# Altium PCB RemoteControl.PcbDoc
Units mm, origin at the board's own origin, x right, y up, seen from the top; angles counter-clockwise.
Board outline 150 x 150 mm, 2 copper layers (Top Layer, Bottom Layer); 109 components, 118 nets, 551 pads, 100 vias.
Unrouted connection lines stored in the file: 176.
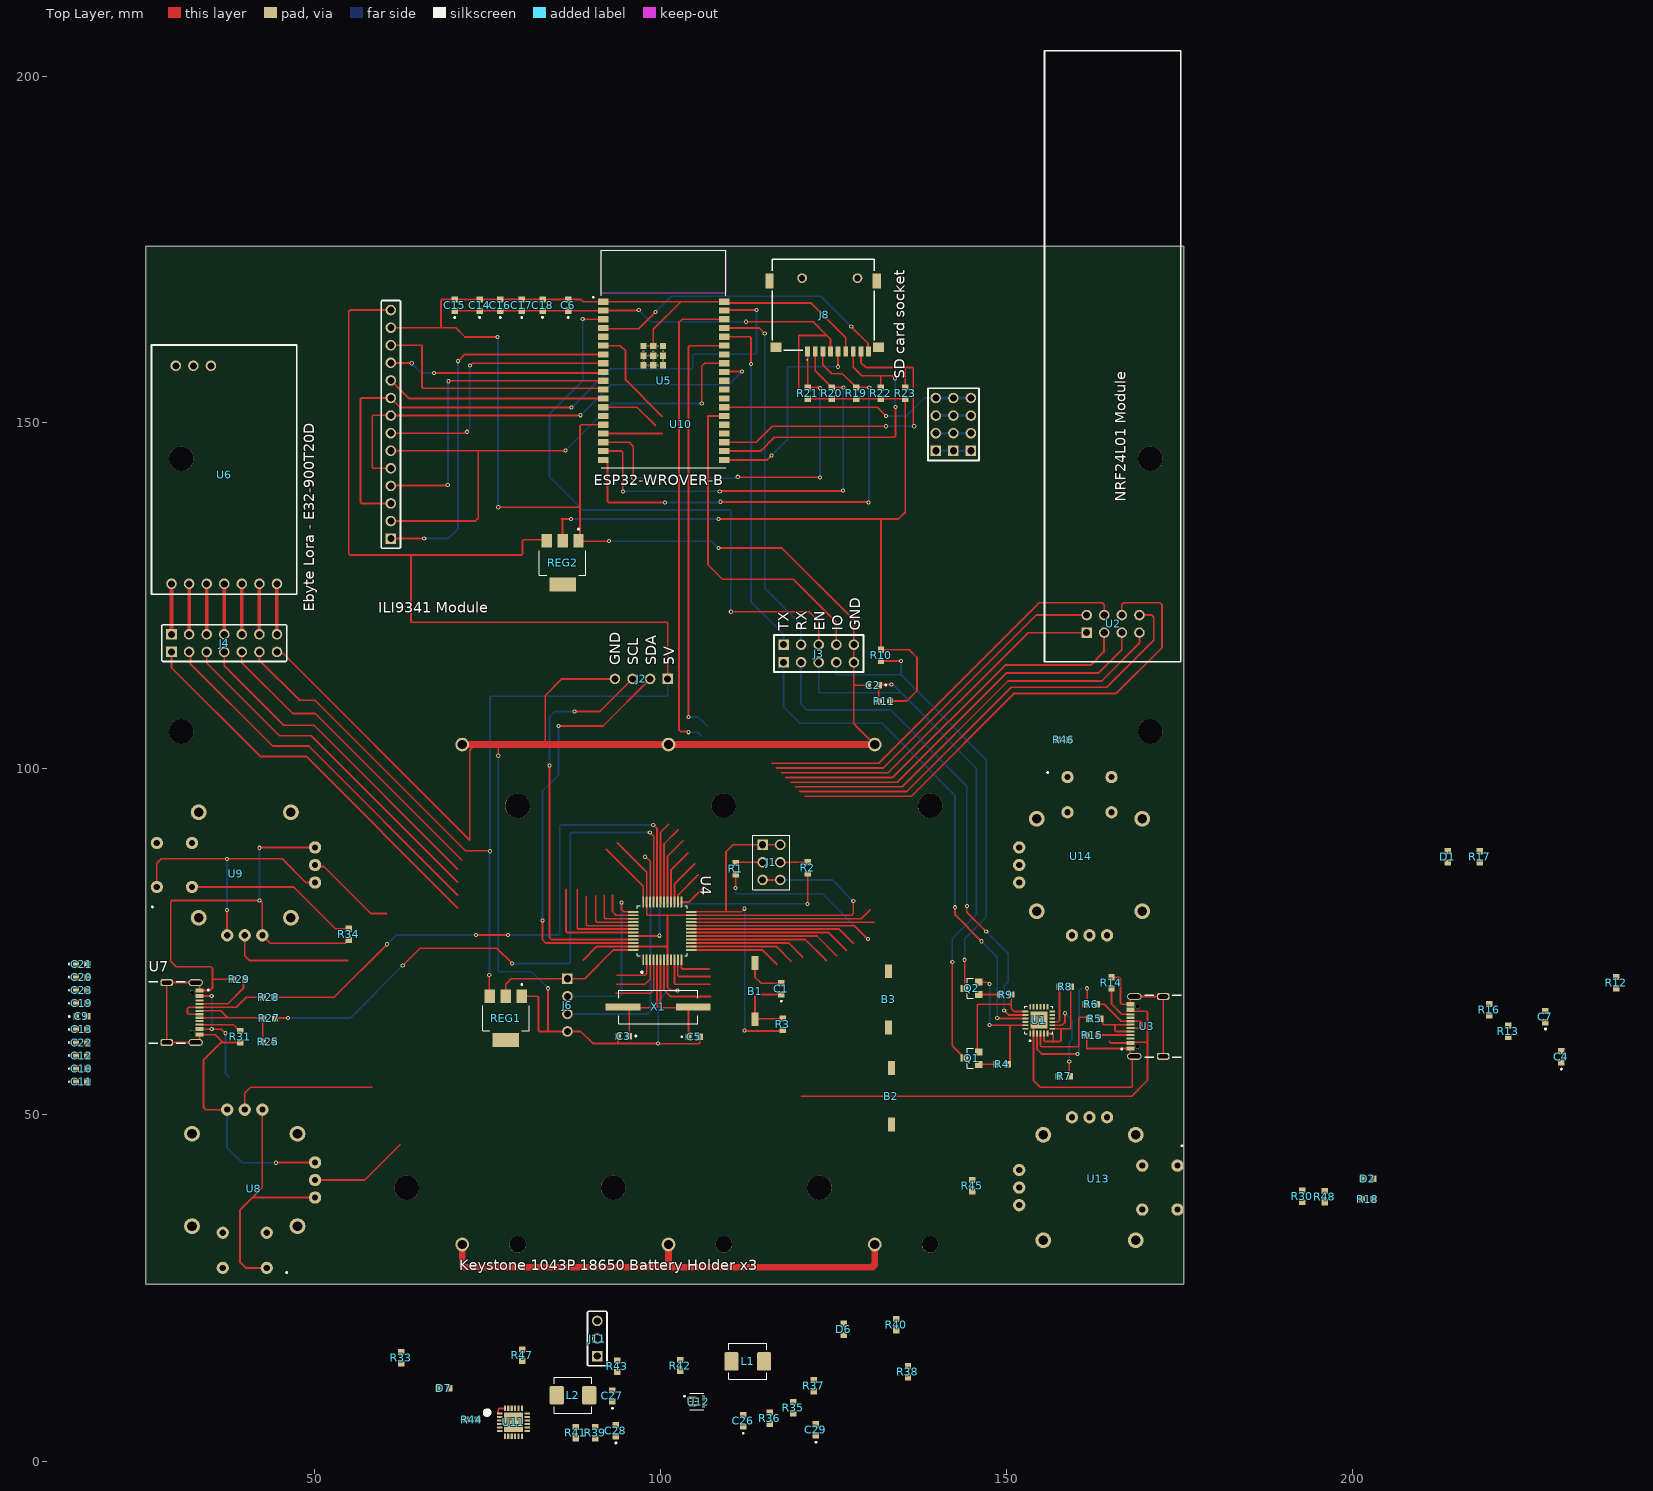
[diagram p0: Top Layer view]
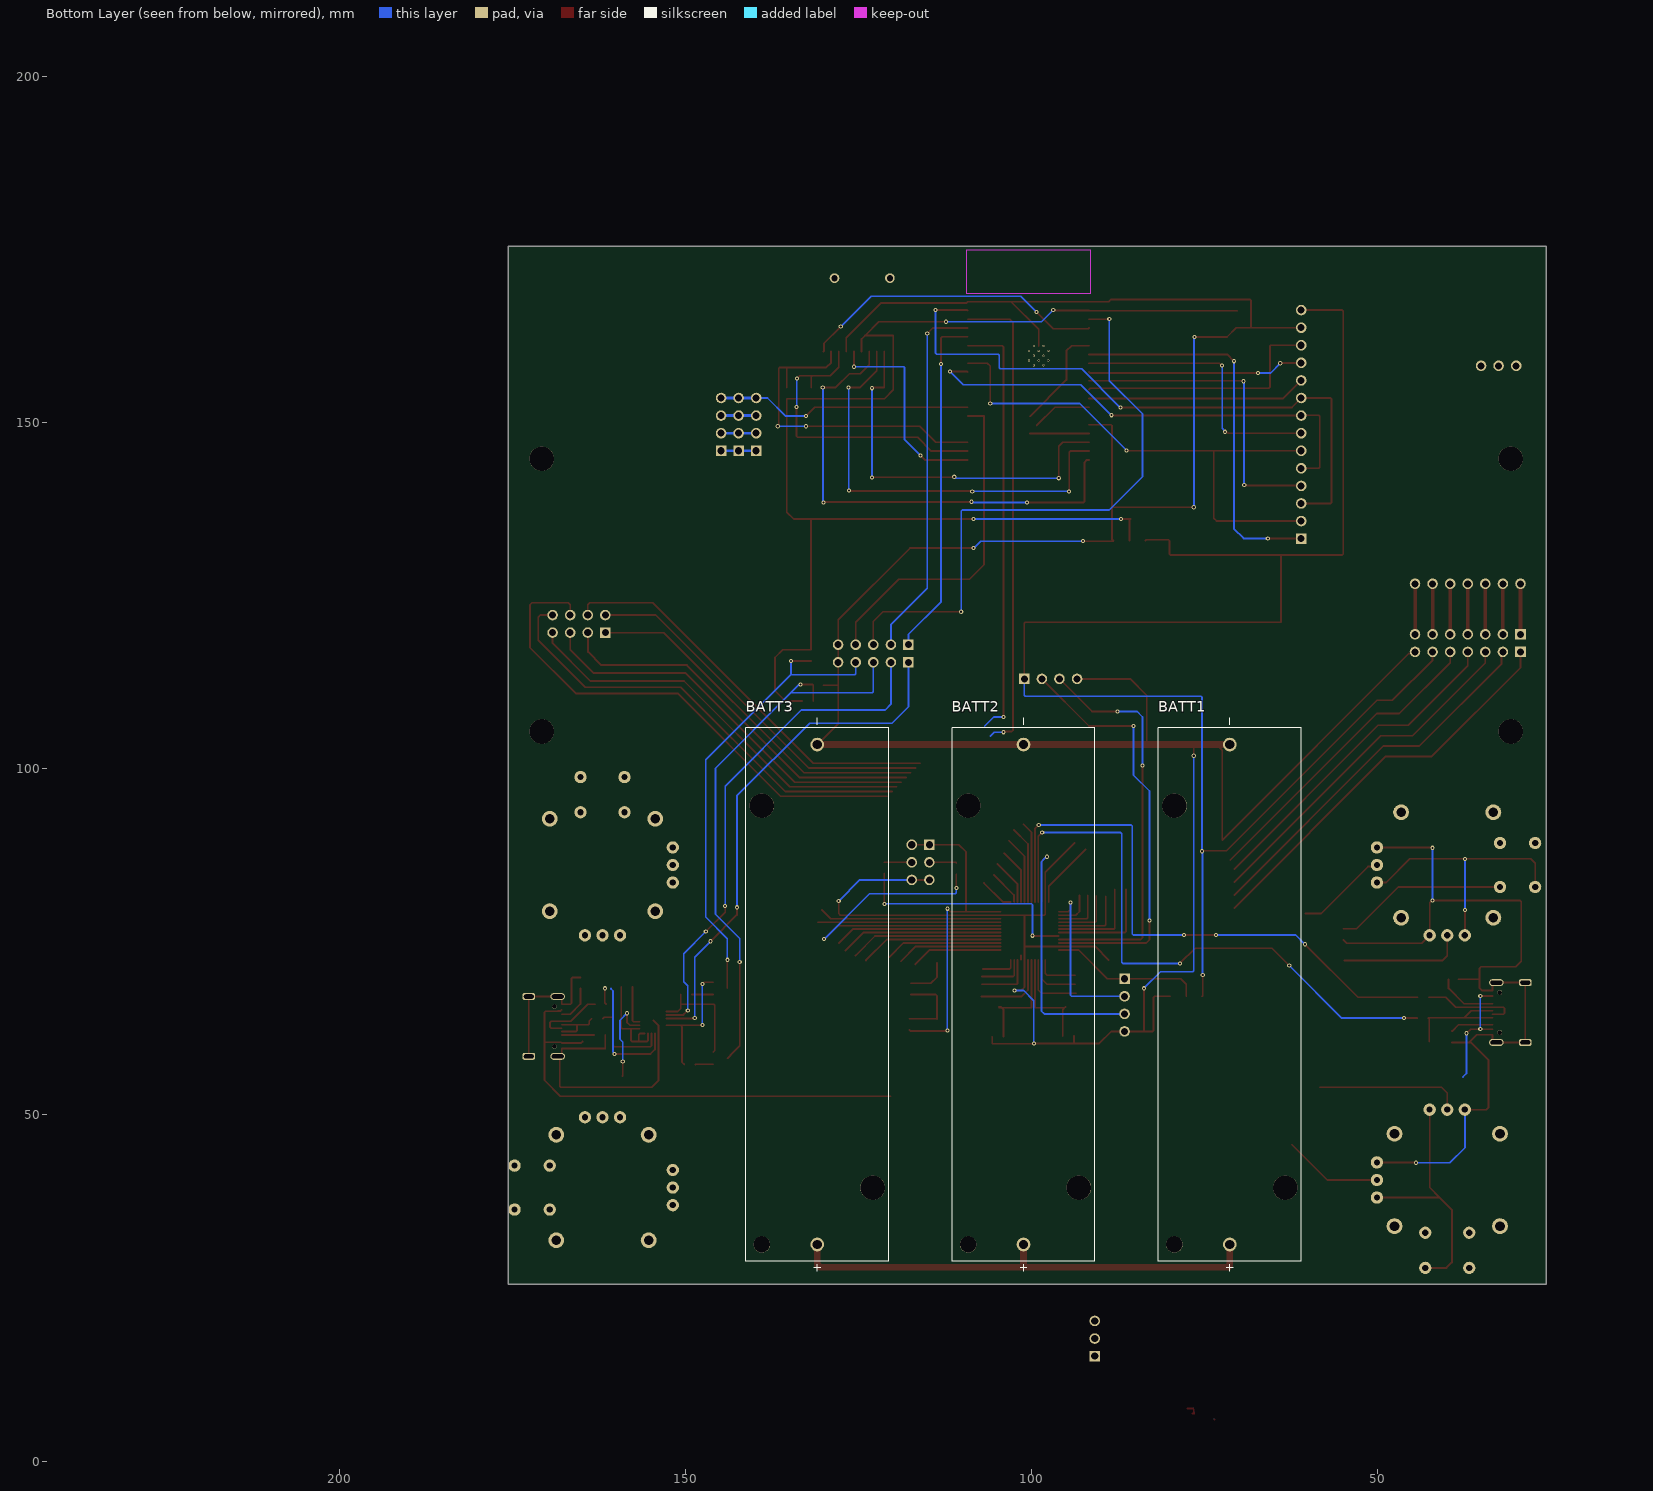
[diagram p1: Bottom Layer view, seen from below]

## Layer stack, top to bottom
Top Solder: solder mask 0.0102, Solder Resist, Dk 3.5
Top Layer: signal copper 0.0356
Dielectric 1: dielectric 0.32, FR-4, Dk 4.8
Bottom Layer: signal copper 0.0356
Bottom Solder: solder mask 0.0102, Solder Resist, Dk 3.5

## Board outline
25.654,25.514 25.654,175.514 175.654,175.514 175.654,25.514

## Design rules (kind name [scope] priority, off if disabled: settings)
Clearance [All] p1: gap=0.15 ignorepadtopadclearanceinfootprint=FALSE
ComponentClearance [All] p1: gap=0.1 collisioncheckmode=3 verticalgap=0 showdistances=FALSE
DiffPairsRouting [All] p1: maxlimit=0.254 minlimit=0.254 mostfreqgap=0.254 toplayer_minwidth=0.254 toplayer_maxwidth=0.381 toplayer_prefwidth=0.381 bottomlayer_minwidth=0.254 bottomlayer_maxwidth=0.381 bottomlayer_prefwidth=0.381 maxuncoupledlength=12.7
Height [All] p1: minheight=0 maxheight=350 prefheight=12.7
HoleSize [All] p1: absolutevalues=TRUE maxlimit=10 minlimit=0.025 maxpercent=80.000 minpercent=20.000
HoleToHoleClearance [All] p1: gap=0.2 allowstackedmicrovias=TRUE
MinimumSolderMaskSliver [All] p1: minsoldermaskwidth=0.01
PolygonConnect [All] p1: connectstyle=Relief reliefconductorwidth=0.254 reliefentries=4 polygonreliefangle="90 Angle" airgapwidth=0.254
RoutingVias [All] p1: holewidth=0.3 width=0.5 viastyle="Through Hole" minholewidth=0.3 minwidth=0.6 maxholewidth=0.3 maxwidth=0.6
SilkToSilkClearance [All] p1: silktosilkclearance=0.01
SilkToSolderMaskClearance [IsPad] p1: minsilkscreentomaskgap=0.01 clearancetoexposedcopper=TRUE
SolderMaskExpansion [All] p1: expansion=0.102 istentingtop=FALSE
SupplyNets "Schematic Supply Nets" [InNet('GND')] p1: voltage=0.000
Width [All] p1: maxlimit=1 minlimit=0.2 preferedwidth=0.254 minimp=50.000000 maximp=50.000000 favimp=50.000000
22 further rules are at their usual default settings.

## Components (designator, comment, footprint, x,y, rotation, side; value= is the part's Value field where it differs from the comment)
B1 "TS3612-3X6" "SMD TACT SWITCH BUTTON" 113.7,67.9 r90 top
B2 "TS3612-3X6" "SMD TACT SWITCH BUTTON" 133.4,52.7 r270 top
B3 "TS3612-3X6" "SMD TACT SWITCH BUTTON" 133,66.7 r270 top
BATT1 "Keystone 1043P 18650 Battery Holder" 1043P 71.397,67.4 r270 bottom locked
BATT2 "Keystone 1043P 18650 Battery Holder" 1043P 101.197,67.4 r270 bottom locked
BATT3 "Keystone 1043P 18650 Battery Holder" 1043P 130.997,67.4 r270 bottom locked
C1 "100pF" "0603 SMD CAP" 117.5,68.214 r90 top
C2 "4.7uF" "0603 SMD CAP" 130.814,112.1 r180 top
C3 "20pF" "0603 SMD CAP" 94.7,61.4 r180 top
C4 "0.1uF" "0603 SMD CAP" 230.2,58.4 r90 top
C5 "20pF" "0603 SMD CAP" 104.9,61.3 r0 top
C6 "10uF" "0603 SMD CAP" 86.7,167 r90 top
C7 "0.1uF" "0603 SMD CAP" 227.9,64.2 r90 top
C9 "10uF" "0603 SMD CAP" 16.4,64.244 r0 top
C10 "10uF" "0603 SMD CAP" 16.4,56.689 r0 top
C11 "10uF" "0603 SMD CAP" 16.4,54.8 r0 top
C12 "10uF" "0603 SMD CAP" 16.4,58.578 r0 top
C13 "10uF" "0603 SMD CAP" 16.4,62.356 r0 top
C14 "10uF" "0603 SMD CAP" 73.9,167 r90 top
C15 "10uF" "0603 SMD CAP" 70.3,167 r90 top
C16 "10uF" "0603 SMD CAP" 76.9,167 r90 top
C17 "10uF" "0603 SMD CAP" 80,167 r90 top
C18 "10uF" "0603 SMD CAP" 83,167 r90 top
C19 "10uF" "0603 SMD CAP" 16.4,66.133 r0 top
C20 "10uF" "0603 SMD CAP" 16.4,69.911 r0 top
C21 "10uF" "0603 SMD CAP" 16.4,71.8 r0 top
C22 "10uF" "0603 SMD CAP" 16.4,60.467 r0 top
C23 "10uF" "0603 SMD CAP" 16.4,68.022 r0 top
C26 "47nF" "0603 SMD CAP" 112,5.8 r90 top
C27 "4.7uF" "0603 SMD CAP" 93.1,9.4 r90 top
C28 "22uF" "0603 SMD CAP" 93.6,4.4 r90 top
C29 "10uF" "0603 SMD CAP" 122.5,4.5 r90 top
D1 "Color" "0603 SMD LED" 213.8,87.286 r90 top
D2 "Green 0603" "0603 SMD LED" 202.239,40.792 r0 top
D6 "Color" "0603 SMD LED" 126.5,19.014 r90 top
D7 "Color" "0603 SMD LED" 68.7,10.5 r180 top
J1 "Header" CON2x3_2.54MM 114.8,86.5 r270 top
J2 "1x4 CONN" CON1x4_2.54MM 97.4,113 r270 top
J3 "CON2x5_2.54mm" CON2x5_2.54MM 120.36,117.94 r0 top
J4 "CON2x7_2.54mm" CON2x7_2.54MM 31.933,119.437 r0 top
J6 "1x4 CONN" CON1x4_2.54MM 86.6,66 r0 top
J8 "SD card socket" L-KLS1-TF-003-H1.85-R 123.55,170.9 r180 top
J11 "1x3 CONN" CON1x3_2.54MM 90.9,15.16 r90 top
L1 "IHLP2020CZER1R0M01" IHLP2020CZER1R0M01 112.647,14.4 r0 top
L2 "IHLP2020CZER1R0M01" IHLP2020CZER1R0M01 87.4,9.5 r0 top
Q1 "S8050 BJT NPN" SOT23 145,58.2 r90 top
Q2 "S8050 BJT NPN" SOT23 145,68.3 r90 top
R1 "100K" "0603 SMD RES" 110.9,85.6 r90 top
R2 "100K" "0603 SMD RES" 121.3,85.7 r270 top
R3 "10K" "0603 SMD RES" 117.7,63.1 r90 top
R4 "10K" "0603 SMD RES" 149.4,57.3 r0 top
R5 "22R" "0603 SMD RES" 162.8,63.9 r180 top
R6 "22R" "0603 SMD RES" 162.286,66 r180 top
R7 "22.1K" "0603 SMD RES" 158.372,55.6 r0 top
R8 "2K" "0603 SMD RES" 158.5,68.5 r0 top
R9 "10K" "0603 SMD RES" 149.9,67.4 r0 top
R10 "10K" "0603 SMD RES" 131.9,116.4 r270 top
R11 "10K" "0603 SMD RES" 132.4,109.8 r180 top
R12 "47.5K" "0603 SMD RES" 238.1,69.1 r90 top
R13 "470R" "0603 SMD RES" 222.5,62.1 r270 top
R14 "5.1K" "0603 SMD RES" 165.2,69.086 r270 top
R15 "5.1K" "0603 SMD RES" 162.427,61.541 r0 top
R16 "470R" "0603 SMD RES" 219.8,65.2 r90 top
R17 "260R" "0603 SMD RES" 218.4,87.286 r90 top
R18 "260R" "0603 SMD RES" 202.2,37.8 r180 top
R19 "10K" "0603 SMD RES" 128.33,154.3 r270 top
R20 "10K" "0603 SMD RES" 124.805,154.3 r270 top
R21 "10K" "0603 SMD RES" 121.3,154.3 r270 top
R22 "10K" "0603 SMD RES" 131.875,154.3 r270 top
R23 "10K" "0603 SMD RES" 135.4,154.3 r90 top
R25 "1.5K" "0603 SMD RES" 43.4,60.6 r0 top
R27 "22R" "0603 SMD RES" 43.514,64 r180 top
R28 "22R" "0603 SMD RES" 43.414,67 r180 top
R29 "5.1K" "0603 SMD RES" 39.186,69.6 r0 top
R30 "2.2K" "0603 SMD RES" 192.786,38.227 r90 top
R31 "5.1K" "0603 SMD RES" 39.3,61.3 r90 top
R33 "10K" "0603 SMD RES" 62.6,14.9 r90 top
R34 "10K" "0603 SMD RES" 55,76.1 r270 top
R35 "10K" "0603 SMD RES" 119.2,7.7 r90 top
R36 "10K" "0603 SMD RES" 115.8,6.2 r90 top
R37 "10K" "0603 SMD RES" 122.2,10.9 r90 top
R38 "220R" "0603 SMD RES" 135.8,12.914 r90 top
R39 "732K" "0603 SMD RES" 90.6,4.1 r90 top
R40 "220R" "0603 SMD RES" 134.1,19.714 r90 top
R41 "100K" "0603 SMD RES" 87.8,4.1 r90 top
R42 "260R" "0603 SMD RES" 102.9,13.8 r90 top
R43 "22.1K" "0603 SMD RES" 93.8,13.7 r90 top
R44 "260R" "0603 SMD RES" 72.8,6 r0 top
R45 "10K" "0603 SMD RES" 145.1,39.8 r270 top
R46 "10K" "0603 SMD RES" 158.286,104.2 r0 top
R47 "47.5K" "0603 SMD RES" 80.1,15.3 r90 top
R48 "2.2K" "0603 SMD RES" 196,38.2 r90 top
REG1 "AMS1117 - 3.3V - SOT223" SOT-223 77.7,64 r270 top
REG2 "AMS1117-3.3V" SOT-223 85.9,129.8 r270 top
U1 "CP2102N-A02-GQFN24R" CP2102N-A02-GQFN24R 154.7,63.7 r90 top
U2 "NRF24L01 Module" "NRF24L01 MODULE" 166.189,117.78 r90 top locked
U3 "TYPE-C USB4105-GF-A-120" "TYPE-C USB4105-GF-A-120" 172.674,62.791 r90 top
U4 "STM32F103C8T6" LQFP-48 100.3,76.6 r90 top locked
U5 "ESP32-WROVER-B" ESP32-WROVER-B 100.5,159.24 r0 top
U6 "Ebyte Lora - E32-900T20D" "Ebyte LoRa Modul" 35.633,142.037 r90 top locked
U7 "TYPE-C USB4105-GF-A-120" "TYPE-C USB4105-GF-A-120" 28.7,64.8 r270 top
U8 "COM-09032 Joystick Pad" XDCR_COM-09032 39.978,40.606 r180 top locked
U9 "COM-09032 Joystick Pad" XDCR_COM-09032 39.978,86.115 r90 top locked
U10 "ILI9341 Module" "ILI9341 2.8\" Pitch" 101.082,150.157 r0 top locked
U11 "BQ25616" WQFN-24 78.8,5.6 r0 top
U12 "TPS61022RWUR" TPS61022RWUR 105.3,8.6 r0 top
U13 "COM-09032 Joystick Pad" XDCR_COM-09032 162.025,39.507 r270 top locked
U14 "COM-09032 Joystick Pad" XDCR_COM-09032 162.025,86.116 r0 top locked
X1 "HC49-HSMX 8Mhz" "HC49-4HSMX Crystal Oscillator" 99.7,65.6 r180 top

## Footprints (in the part's own frame and the unit in brackets; to place one, negate y for a bottom-side part, rotate by r counter-clockwise, add the part's x,y. Pads: shape width x height; smd on the part's side, far side on the other; paste and mask are expansions set on the pad)
"0603 SMD CAP" [mm]
  rect 0.89x0.93 smd: 1(-0.814,0) 2(0.814,0)
  silkscreen extent -1.88,-0.1 -1.68,0.1, body extent -0.8,-0.4 0.8,0.4, height 0.81
"0603 SMD LED" [mm]
  rect 0.89x0.93 smd: A(0.814,0) C(-0.814,0)
  body extent -0.8,-0.35 0.8,0.35, height 0.7
"0603 SMD RES" [mm]
  rect 0.89x0.93 smd: 1(-0.814,0) 2(0.814,0)
  body extent -0.8,-0.4 0.8,0.4, height 0.55
1043P [mm]
  round 1.98 hole 1.32: N(-36.11,0) P(36.11,0)
  round 3.55 hole 3.55 unplated: ""(-27.29,-8) ""(27.91,8)
  round 2.39 hole 2.39 unplated: ""(36.11,-8)
  silkscreen extent -40.01,-10.32 40,10.33, body extent -38.65,-10.36 38.4,10.29, height 14.71
CON1x3_2.54MM [mil]
  rect 60x60 hole 40.16: 1(0,0)
  round 60 hole 40.16: 2(100,0) 3(200,0)
  silkscreen extent -55,-55 255,55, body extent -50,-50 250,50, height 350
CON1x4_2.54MM [mil]
  rect 60x60 hole 40.16: 1(0,145)
  round 60 hole 40.16: 2(0,45) 3(0,-55) 4(0,-155)
  body extent -50,-205 48,195, height 415
CON2x3_2.54MM [mil]
  rect 60x60 hole 40.16: 1(-100,0)
  round 60 hole 40.16: 2(0,0) 3(100,0) 4(-100,100) 5(0,100) 6(100,100)
  silkscreen extent -155,-55 155,155, body extent -150,-50 150,150, height 350
CON2x5_2.54MM [mil]
  rect 60x60 hole 40.16: 1(-100,0) 6(-100,-100)
  round 60 hole 40.16: 2(0,0) 3(100,0) 4(200,0) 5(300,0) 7(0,-100) 8(100,-100) 9(200,-100) 10(300,-100)
  silkscreen extent -155,-155 355,55, body extent -150,-150 350,50, height 350
CON2x7_2.54MM [mil]
  rect 60x60 hole 40.16: 1(-100,0) 8(-100,-100)
  round 60 hole 40.16: 2(0,0) 3(100,0) 4(200,0) 5(300,0) 6(400,0) 7(500,0) 9(0,-100) 10(100,-100) 11(200,-100) 12(300,-100) 13(400,-100) 14(500,-100)
  silkscreen extent -155,-155 555,55, body extent -150,-150 550,50, height 350
CP2102N-A02-GQFN24R [mm] "CP2102N-A02-GQFN24R"
  rrect25% 0.84x0.26 smd: 1(-1.935,1.25) 2(-1.935,0.75) 3(-1.935,0.25) 4(-1.935,-0.25) 5(-1.935,-0.75) 6(-1.935,-1.25) 13(1.935,-1.25) 14(1.935,-0.75) 15(1.935,-0.25) 16(1.935,0.25) 17(1.935,0.75) 18(1.935,1.25)
  rrect25% 0.26x0.84 smd: 7(-1.25,-1.935) 8(-0.75,-1.935) 9(-0.25,-1.935) 10(0.25,-1.935) 11(0.75,-1.935) 12(1.25,-1.935) 19(1.25,1.935) 20(0.75,1.935) 21(0.25,1.935) 22(-0.25,1.935) 23(-0.75,1.935) 24(-1.25,1.935)
  rect 2.45x2.45 smd paste-0.455: 25(0,0)
  silkscreen extent -3.07,-2 2,2, body extent -2,-2 2,2, height 0.8
"Ebyte LoRa Modul" [mm] "Modul"
  round 1.524 hole 1.02: 1(-15.3,6.24) 2(-15.3,3.7) 3(-15.3,1.16) 4(-15.3,-1.38) 5(-15.3,-3.92) 6(-15.3,-6.46) 7(-15.3,-9) 8(16.2,0.54) 9(16.2,3.08) 10(16.2,5.62)
  silkscreen extent -16.81,-11.86 19.19,9.14, body extent -16.78,-11.9 32,9.1, height 8.71
ESP32-WROVER-B [mm]
  rect 1.5x0.9 smd: 1(-8.75,8.26) 2(-8.75,6.99) 3(-8.75,5.72) 4(-8.75,4.45) 5(-8.75,3.18) 6(-8.75,1.91) 7(-8.75,0.64) 8(-8.75,-0.63) 9(-8.75,-1.9) 10(-8.75,-3.17) 11(-8.75,-4.44) 12(-8.75,-5.71) 13(-8.75,-6.98) 14(-8.75,-8.25) 15(-8.75,-9.52) 16(-8.75,-10.79) 17(-8.75,-12.06) 18(-8.75,-13.33) 19(-8.75,-14.6) 20(8.75,-14.6) 21(8.75,-13.33) 22(8.75,-12.06) 23(8.75,-10.79) 24(8.75,-9.52) 25(8.75,-8.25) 26(8.75,-6.98) 27(8.75,-5.71) 28(8.75,-4.44) 29(8.75,-3.17) 30(8.75,-1.9) 31(8.75,-0.63) 32(8.75,0.64) 33(8.75,1.91) 34(8.75,3.18) 35(8.75,4.45) 36(8.75,5.72) 37(8.75,6.99) 38(8.75,8.26)
  rect 0.9x0.9 smd: 39(-2.9,0.46) 40(-1.5,0.46) 41(-0.1,0.46) 42(-2.9,1.86) 43(-1.5,1.86) 44(-0.1,1.86) 45(-2.9,-0.94) 46(-1.5,-0.94) 47(-0.1,-0.94)
  round 0.3 hole 0.2: 48(-0.1,1.16) 49(-1.5,1.16) 50(-2.9,1.16) 51(-2.9,-0.24) 52(-1.5,-0.24) 53(-0.1,-0.24) 54(-0.8,1.86) 55(-2.2,1.86) 56(-0.8,0.46) 57(-2.2,0.46) 58(-2.2,-0.94) 59(-0.8,-0.94)
  Keep-Out Layer region: 9,9.48 -9,9.48 -9,15.7 9,15.7
  silkscreen extent -10.26,-15.7 9,15.7, body extent -9,-15.7 9,15.7, height 3.45
"HC49-4HSMX Crystal Oscillator" [mm]
  rect 5x1 smd: 1(-5.08,0) 2(5.08,0)
  silkscreen extent -5.7,-2.4 5.7,2.4, body extent -6.37,-2.22 6.63,2.48, height 4.01
IHLP2020CZER1R0M01 [mil]
  rrect25% 81x106 smd: 1(-92.64,0) 2(92.64,0)
  silkscreen extent -108,-102 108,102, body extent -107,-102 107,101, height 114
"ILI9341 2.8\" Pitch" [mil]
  rect 60x60 hole 40.16: 1(-1575,-665) 18(1525,-165) 18(1625,-165) 18(1725,-165)
  round 60 hole 40.16: 2(-1575,-565) 3(-1575,-465) 4(-1575,-365) 5(-1575,-265) 6(-1575,-165) 7(-1575,-65) 8(-1575,35) 9(-1575,135) 10(-1575,235) 11(-1575,335) 12(-1575,435) 13(-1575,535) 14(-1575,635) 15(1525,135) 15(1625,135) 15(1725,135) 16(1525,35) 16(1625,35) 16(1725,35) 17(1525,-65) 17(1625,-65) 17(1725,-65)
  Bottom Layer lines w15.75: 1525,-165 1725,-165 ; 1525,-65 1625,-65 1725,-65 ; 1525,35 1625,35 1725,35 ; 1525,135 1625,135 1725,135
  silkscreen extent -1630,-720 1770,690, body extent -1655,-998 1730,970, height 526
L-KLS1-TF-003-H1.85-R [mm]
  rect 0.7x1.4 smd: 1(2.25,10.6) 2(1.15,10.6) 3(0.05,10.6) 4(-1.05,10.6) 5(-2.15,10.6) 6(-3.25,10.6) 7(-4.35,10.6) 8(-5.45,10.6) 9(-6.55,10.6)
  rect 1.6x1.4 smd: 10(-8,10) 13(6.85,10)
  rect 1.2x2.2 smd: 11(-7.75,0.4) 12(7.75,0.4)
  round 1.4 hole 0.9: 14(3.05,0) 15(-4.95,0)
  silkscreen extent -7.38,-2.71 7.38,11.84, body extent -8,-3.99 8.1,11.21, height 1.85
LQFP-48 [mm]
  rrect50% 1.56x0.28 smd: 1(-4.18,2.75) 2(-4.18,2.25) 3(-4.18,1.75) 4(-4.18,1.25) 5(-4.18,0.75) 6(-4.18,0.25) 7(-4.18,-0.25) 8(-4.18,-0.75) 9(-4.18,-1.25) 10(-4.18,-1.75) 11(-4.18,-2.25) 12(-4.18,-2.75) 25(4.18,-2.75) 26(4.18,-2.25) 27(4.18,-1.75) 28(4.18,-1.25) 29(4.18,-0.75) 30(4.18,-0.25) 31(4.18,0.25) 32(4.18,0.75) 33(4.18,1.25) 34(4.18,1.75) 35(4.18,2.25) 36(4.18,2.75)
  rrect50% 0.28x1.56 smd: 13(-2.75,-4.18) 14(-2.25,-4.18) 15(-1.75,-4.18) 16(-1.25,-4.18) 17(-0.75,-4.18) 18(-0.25,-4.18) 19(0.25,-4.18) 20(0.75,-4.18) 21(1.25,-4.18) 22(1.75,-4.18) 23(2.25,-4.18) 24(2.75,-4.18) 37(2.75,4.18) 38(2.25,4.18) 39(1.75,4.18) 40(1.25,4.18) 41(0.75,4.18) 42(0.25,4.18) 43(-0.25,4.18) 44(-0.75,4.18) 45(-1.25,4.18) 46(-1.75,4.18) 47(-2.25,4.18) 48(-2.75,4.18)
  silkscreen extent -6.15,-3.6 3.6,3.6, body extent -4.5,-4.5 4.5,4.5, height 1.6
"NRF24L01 MODULE" [mil]
  rect 60x60 hole 40.16: 1(75,180)
  round 60 hole 40.16: 2(175,180) 3(75,80) 4(175,80) 5(75,-20) 6(175,-20) 7(75,-120) 8(175,-120)
  silkscreen extent -90,-355 3385,420, body extent 0,-275 5961,335, height 600
"SMD TACT SWITCH BUTTON" [mm]
  rect 2x1 smd: 0(4.064,0) 1(-4.064,0)
  body extent -4.03,-1.83 4.03,1.83, height 2.51
SOT23 [mil]
  rect 40x45 smd: 1(-35,-40) 2(35,-40) 3(0,40)
  silkscreen extent -58,-10 57,25, body extent -57,-51 57,51, height 55
SOT-223 [mm]
  rect 2x1.5 smd: 1(-3.15,2.3) 2(-3.15,0) 3(-3.15,-2.3)
  rect 2x3.8 smd: 4(3.15,0)
  silkscreen extent -4.94,-3.35 1.85,3.35, body extent -3.5,-3.23 3.5,3.22, height 1.8
TPS61022RWUR [mm]
  rect 1.15x0.35 smd paste-2 mask+0.07: 1(-0.625,0.55) 3(-0.625,-0.55)
  rect 1.45x0.2 smd paste-2 mask+0.07: 2(-0.475,0)
  rect 0.45x0.25 smd mask+0.07: 4(0.975,-0.75) 5(0.975,-0.25) 6(0.975,0.25) 7(0.975,0.75)
  silkscreen extent -1.9,-1.19 1,1.19, body extent -1,-1 1,1, height 1
"TYPE-C USB4105-GF-A-120" [mm]
  rect 0.6x1.15 smd: A1_B12(-3.2,4.755) A4_B9(-2.4,4.755) B1_A12(3.2,4.755) B4_A9(2.4,4.755)
  rect 0.3x1.15 smd: A5(-1.25,4.755) A6(-0.25,4.755) A7(0.25,4.755) A8(1.25,4.755) B5(1.75,4.755) B6(0.75,4.755) B7(-0.75,4.755) B8(-1.75,4.755)
  oval 1x2.1 hole 0.6 slot 1.7 at 90 deg: SH1(-4.32,4.18) SH2(4.32,4.18)
  rrect50% 1x1.8 hole 0.6 slot 1.4 at 90 deg: SH3(-4.32,0) SH4(4.32,0)
  round 0.65 hole 0.65 unplated: ""(-2.89,3.68) ""(2.89,3.68)
  silkscreen extent -4.47,-2.6 4.47,6.1, body extent -4.47,-2.6 4.47,5.11, height 3.31
WQFN-24 [mm]
  rect 0.8x0.3 smd: 1(-2,1.25) 2(-2,0.75) 3(-2,0.25) 4(-2,-0.25) 5(-2,-0.75) 6(-2,-1.25) 13(2,-1.25) 14(2,-0.75) 15(2,-0.25) 16(2,0.25) 17(2,0.75) 18(2,1.25)
  rect 0.3x0.8 smd: 7(-1.25,-2) 8(-0.75,-2) 9(-0.25,-2) 10(0.25,-2) 11(0.75,-2) 12(1.25,-2) 19(1.25,2) 20(0.75,2) 21(0.25,2) 22(-0.25,2) 23(-0.75,2) 24(-1.25,2)
  rect 2.8x2.8 smd: 25(0,0)
  silkscreen extent -3.94,1.27 -3.68,1.52, body extent -2,-2 2,2, height 0.8
XDCR_COM-09032 [mil]